# Altium PCB Thermostat_EEM.PCBDOC (part 5 of 10) (continued)
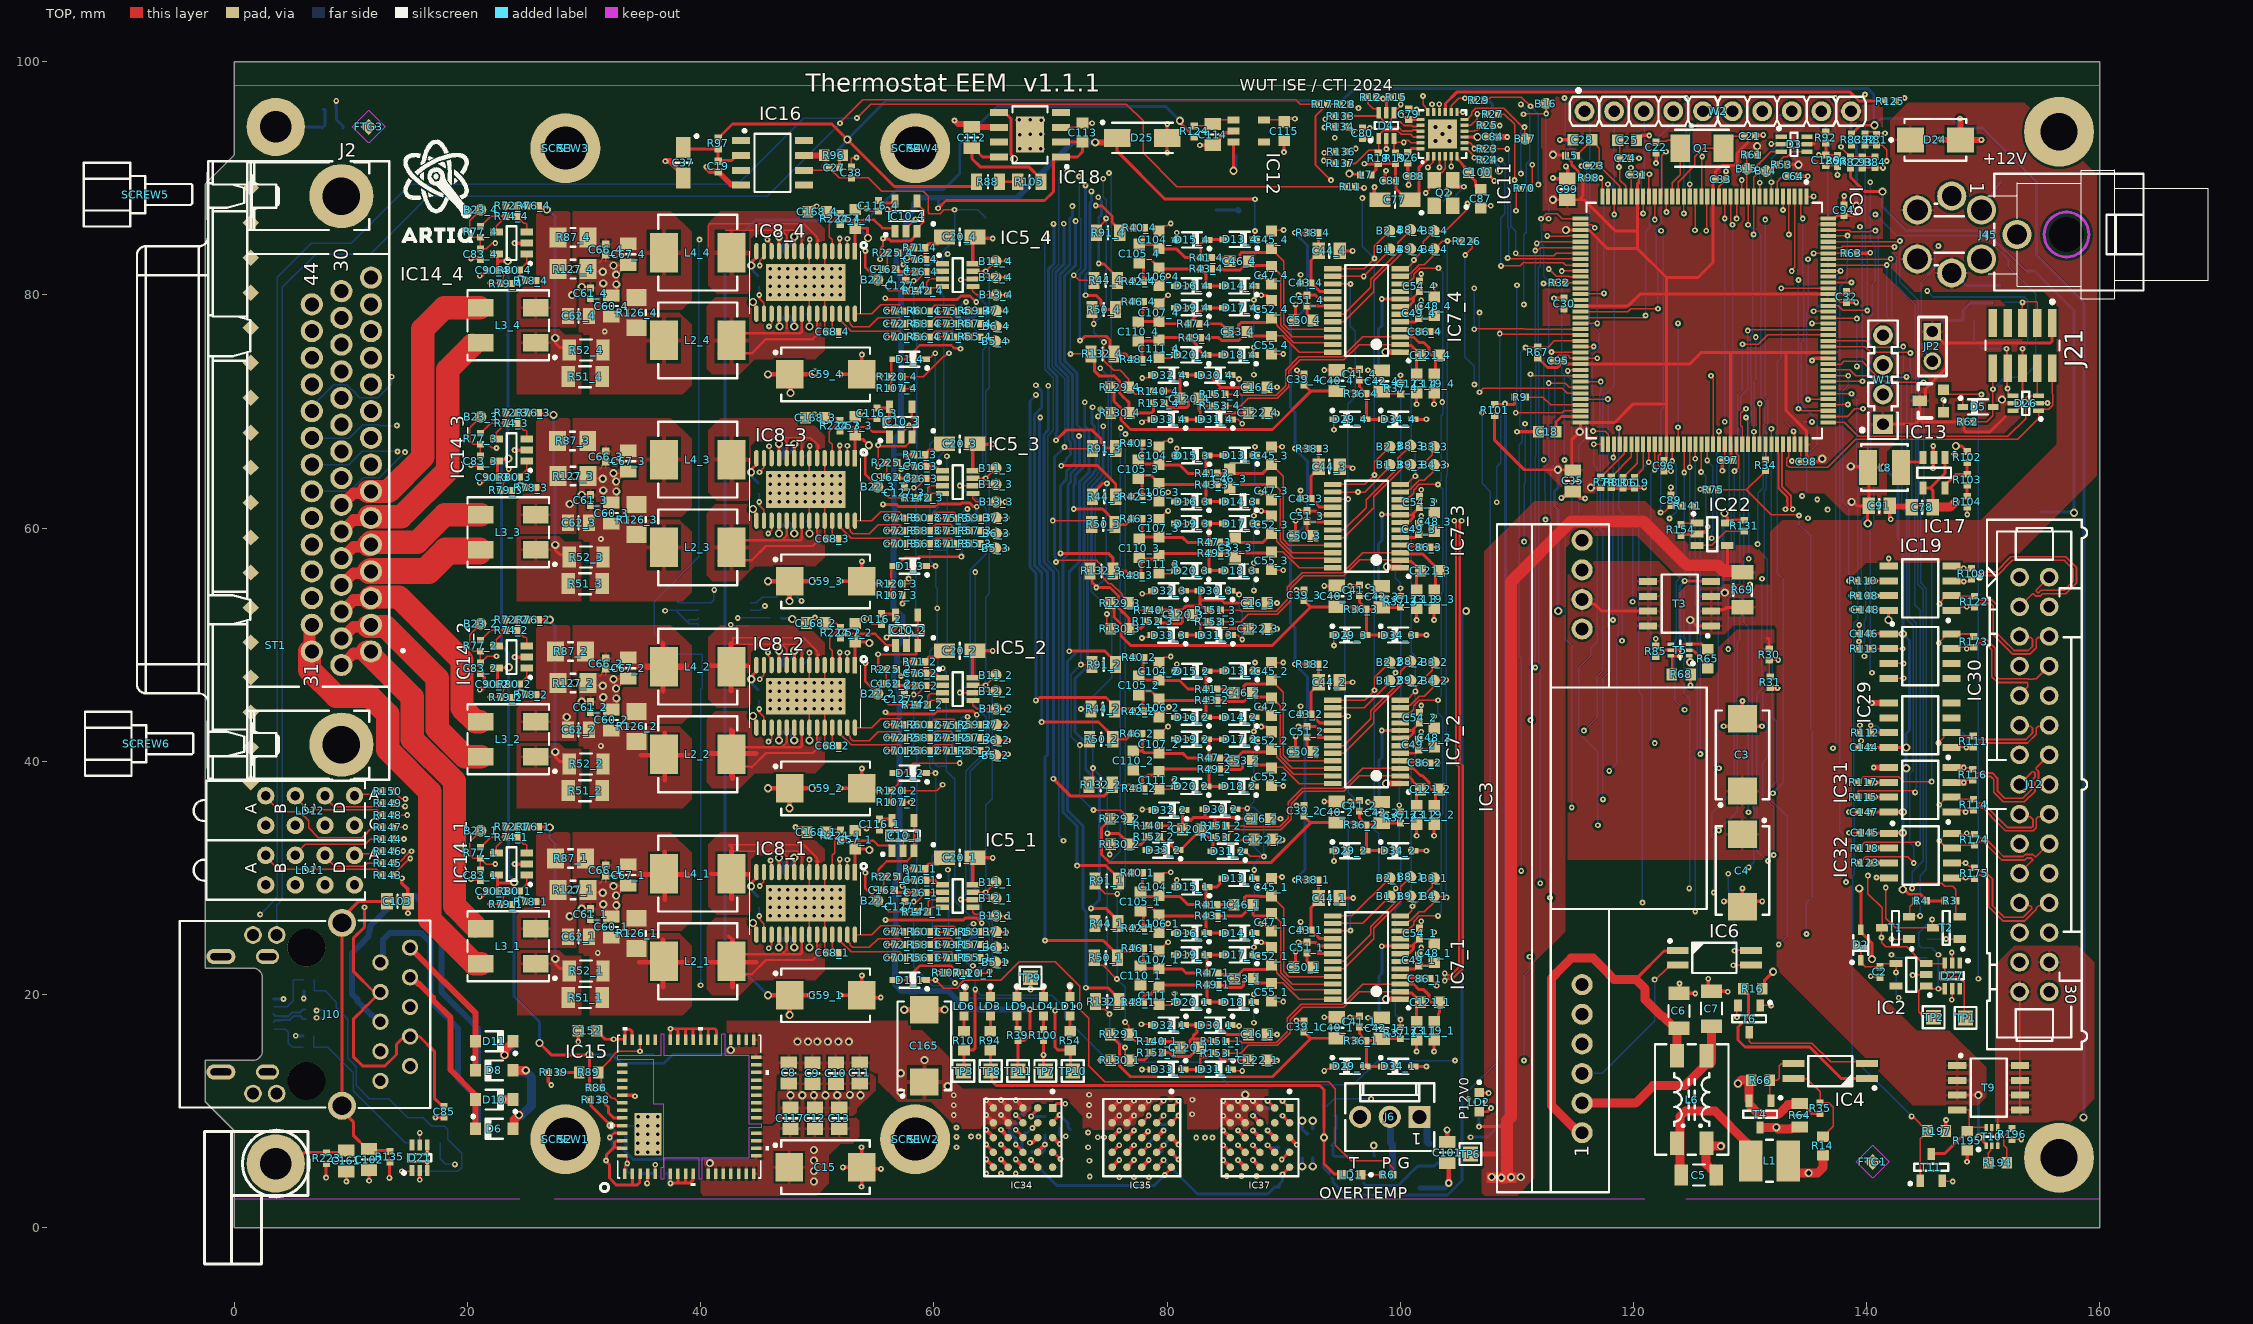
[diagram p0: TOP view]
## Nets (pads, with @x,y where several pads share a name; then routed paths per layer and width w, separated by ;. In a path a pad name is that pad's centre, name@x,y a point inside that pad or via, vN(x,y) a via of type N, cw(c..) or ccw(c..) an arc to the next point about the centre after c; other vN are vias at no path point) (continued)
  TOP w0.3: v1(14.378,29.981) 14.378,29.56 14.9,29.038 C103.2@14.9,28 v1(14.9,26.973) ; v1(20.302,29.892) C83_1.1@21.013,29.892 ; v1(20.302,65.392) C83_3.1@21.013,65.392 ; v1(20.302,83.142) C83_4.1@21.013,83.142 ; v1(21.052,46.154) 21.231,46.154 C90_2.2@21.685,46.607 21.439,46.854 21.439,47.217 21.131,47.524 C83_2.1@21.131,47.549 ; v1@21.231,28.404 C90_1.2@21.685,28.857 ; v1@21.231,63.904 C90_3.2@21.685,64.357 ; v1@21.231,81.654 C90_4.2@21.685,82.107 ; v1(24.036,66.695) IC14_3.2@25.085,66.695 ; v1(24.036,84.445) IC14_4.2@25.085,84.445 ; v1(24.044,31.195) IC14_1.2@25.085,31.195 ; v1(24.044,48.945) IC14_2.2@25.085,48.945 ; R139.1@26.94,13.3 26.94,12.524 27.193,12.271 v1(27.193,12.248) ; IC15.56@33.276,11.37 v1@34.291,11.37 ; v1(51.982,19.944) C59_1.2@53.825,19.944 v1(53.825,21.636) ; v1(51.982,37.694) C59_2.2@53.825,37.694 v1(53.825,39.386) ; v1(51.982,55.444) C59_3.2@53.825,55.444 v1(53.825,57.136) ; v1(51.982,73.194) C59_4.2@53.825,73.194 v1(53.825,74.886) ; v1@52.214,5.2 C15.2@53.8,5.2 ; v1(53.8,3.526) C15.2@53.8,5.2 ; v1@53.8,6.905 C15.2@53.8,5.2 ; C15.2@53.945,5.055 v1(55.472,5.055) ; C59_1.2@54.025,19.744 v1(55.447,19.744) ; C59_2.2@54.025,37.494 v1(55.447,37.494) ; C59_3.2@54.025,55.244 v1(55.447,55.244) ; C59_4.2@54.089,73.057 v1(55.447,73.057) ; C162_4.1@56.725,82.199 56.885,82.039 57.022,82.039 57.061,82 v1@57.564,82 ; C162_3.1@56.85,64.381 56.943,64.288 57.537,64.288 v1@57.538,64.287 ; C127_3.2@57.538,63.443 v1@57.538,64.287 ; C127_1.2@57.564,28.035 v1(57.575,28.75) C26_1.2@58.425,28.75 ; C127_2.2@57.564,45.841 v1(57.575,46.5) C26_2.2@58.425,46.5 ; C127_4.2@57.564,81.248 v1@57.564,82 ; v1(57.725,29.8) C76_1.2@58.4,29.8 ; v1(57.725,47.646) C76_2.2@58.379,47.646 ; v1(57.725,65.4) C76_3.2@58.4,65.4 ; v1(57.725,83.15) C76_4.2@58.4,83.15 ; C26_3.2@58.425,64.25 v1(57.575,64.25) v1@57.538,64.287 ; C26_4.2@58.425,82 v1(57.575,82) v1@57.564,82 ; v1(60.405,21.872) R107_1.2@61.105,21.872 ; LD6.1@62.587,19.809 62.642,19.864 62.642,20.585 v3(62.698,20.641) ; IC5_1.8@63.35,29.43 63.35,31.545 C20_1.2@63.53,31.725 v1(65.057,31.725) ; IC5_2.8@63.35,47.18 63.35,49.295 C20_2.2@63.53,49.475 v1(65.057,49.475) ; IC5_3.8@63.35,64.93 63.35,67.045 C20_3.2@63.53,67.225 63.547,67.208 v1(65.048,67.208) ; IC5_4.8@63.35,82.68 63.35,84.795 C20_4.2@63.53,84.975 63.66,84.845 v1(65.057,84.845) ; LD3.1@64.857,19.809 v3(64.857,20.684) ; LD9.1@67.128,19.809 v3(67.128,20.684) ; v3@68.305,20.369 TP9.1@68.305,21.244 ; LD4.1@69.399,19.809 v3(69.399,20.684) ; LD10.1@71.67,19.809 v3@71.67,20.684 ; v1(82.819,92.848) 83.896,92.848 C114.2@83.906,92.858 84.081,92.858 84.456,93.233 84.456,93.408 84.975,93.928 85.575,93.928 IC12.2@85.706,94.058 ; C77.2@97.789,88.631 v1(97.789,89.25) ; C81.1@98.695,89.8 v1@98.695,90.462 ; v1(98.81,92.522) D4.2@98.81,93.43 ; R26.2@100.645,91.305 100.645,90.25 C88.1@100.72,90.175 v1(100.72,89.444) ; Q2.2@104.52,89.85 104.52,89.725 104.945,89.3 105.441,89.3 v1(105.46,89.281) ; v1(110.006,68.269) C18.1@111.862,68.269 ; v1(113.088,90.037) 113.157,89.969 C99.2@114.328,89.969 114.376,90.016 114.376,90.769 114.203,90.942 v1(114.203,91.03) ; v1(113.183,79.719) C30.1@114.053,79.719 ; v1(113.693,93.301) C28.1@114.722,93.301 ; v1(113.821,62.597) 113.876,62.597 114.054,62.775 114.257,62.775 114.352,62.869 C35.2@114.352,62.919 ; C35.2@114.882,63.15 115.483,62.55 v1(115.855,62.55) ; R8.2@118.1,63.46 118.13,63.43 R106.2@119.1,63.43 R119.2@120.1,63.43 120.169,63.499 v1(120.915,63.499) ; C25.1@120.401,93.312 120.773,93.683 v1(121.359,93.683) ; v1(121.935,91.308) C22.2@121.935,92.207 ; v1(123.951,20.955) 123.951,20.151 C6.1@123.9,20.1 v1(125.297,20.1) ; R154.1@124.078,59.378 124.18,59.481 IC22.2@125.45,59.481 125.6,59.631 125.992,59.631 126.026,59.665 126.101,59.665 126.339,59.902 126.339,60.083 v1(126.377,60.121) ; v1(126.418,21.36) 126.418,20.582 C7.1@126.7,20.3 128.035,20.3 v1(128.091,20.244) ; v1(127.628,64.929) C97.1@127.628,65.819 ; v1@127.736,43.025 128.717,43.025 C3.2@129.35,43.658 ; v1(127.753,27.996) 128.896,27.996 C4.2@129.35,27.542 ; v1(127.931,90.604) 127.933,90.602 127.933,89.914 C33.1@127.935,89.912 ; v1(129.35,29.11) C4.2@129.35,27.542 ; v1(129.35,45.18) C3.2@129.35,43.658 ; C21.2@130.435,93.63 130.497,93.691 131.093,93.691 v1(131.131,93.73) ; v1(131.027,43.02) 131.018,43.029 129.98,43.029 C3.2@129.35,43.658 ; v1(131.043,27.996) 129.958,27.996 129.427,27.465 C4.2@129.35,27.542 ; C64.1@134.153,90.187 v1(134.948,90.187) ; v1(135.31,74.375) v1(135.31,74.375) 135.505,74.569 IC9.120@136.703,74.569 ; C94.1@138.053,87.719 v1@138.053,88.46 ; C32.1@138.278,79.369 v1(139.113,79.369) ; R63.2@139.17,83.6 v1@140.277,83.6 ; v1@141.982,60.94 C91.2@141.982,61.912 ; C78.1@144.155,62.02 v1(144.769,62.02) ; v1(145.702,65.139) 145.702,65.969 IC17.2@145.787,66.054 IC17.2@145.749,66.017 ; IC17.2@145.712,66.054 v1(145.712,67.045) ; R197.1@146.8,8.3 v1@146.8,9.229 ; v1@148.64,5.691 R195.1@148.64,6.662
  TOP w0.35: v1(64.491,8.407) IC34.E3@65.102,7.799 ; v1(65.761,7.137) IC34.D4@66.372,6.529 ; v1(65.761,8.407) IC34.D3@66.372,7.799 ; v1(68.239,7.3) 68.268,7.329 68.441,7.329 IC34.B3@68.912,7.799 ; IC34.B4@68.912,6.529 v1@69.441,7.062 ; IC35.E3@75.29,7.74 v1(75.898,8.35) ; IC35.D4@76.56,6.47 v1(77.168,7.08) ; IC35.D3@76.56,7.74 v1(77.168,8.35) ; IC35.C3@77.83,7.74 78.36,8.269 v1(78.36,8.272) ; IC35.B3@79.1,7.74 79.63,8.272 v1(79.708,8.35) ; v1(84.817,8.343) IC37.E3@85.428,7.736 ; v1(86.087,8.343) IC37.D3@86.698,7.736 ; v1(87.357,8.343) IC37.C3@87.968,7.736 ; v1(88.627,8.343) IC37.B3@89.238,7.736
  TOP w0.4: C101.1@104.018,7.353 v3(104.018,8.406)
  TOP w0.5: v2(57.456,18.7) C165.2@59.19,18.704 v2(60.923,18.709) ; v2(98.736,75.108) 98.741,75.103 100.016,75.103 IC7_4.1@100.021,75.098 ; v2(98.78,19.605) 98.783,19.602 100.017,19.602 IC7_1.1@100.021,19.598 ; v2(98.784,38.098) IC7_2.1@100.021,38.098 ; v2(98.854,56.687) 98.908,56.687 98.972,56.623 99.996,56.623 IC7_3.1@100.021,56.598
  TOP w0.508: v1(36.977,91.475) 37.375,91.475 38.525,90.325 C37.2@38.525,90.05 ; v1(40.504,91) 40.504,90.925 40.798,90.631 41.444,90.631 42.606,89.469 43.415,89.469 IC16.4@43.461,89.423 ; v1(61.775,94.971) 62.075,94.671 62.979,94.671 63.258,94.393 65.593,94.393 IC18.6@65.6,94.385 ; C84.1@108.39,93.55 v1(109.176,93.55) ; R31.1@131.734,46.316 131.757,46.293 v1(132.348,46.293) ; v1(140.461,45.003) IC29.5@141.894,45.003 ; v1(140.614,39.469) 140.616,39.466 IC31.5@141.894,39.466 ; C91.2@141.982,61.912 142.037,61.858 143.817,61.858 C78.1@143.871,61.803 ; v1(146.297,93.336) 146.333,93.3 D24.2@148.05,93.3 ; v1(148.004,95.12) 148.05,95.075 D24.2@148.05,93.3 ; v1(149.841,93.3) D24.2@148.05,93.3
  L2 w0.127: v1(126.377,60.121) v1(126.377,60.121) ; v1(129.35,29.11) v1@129.361,29.121
  BOT w0.127: C14.1@33.65,8.9 33.79,8.76 v3(34.626,8.76) ; v1(33.704,5.512) 33.704,4.842 C34.1@33.901,4.645 ; v1(36.95,52.925) 36.975,52.95 IC1.7@39.85,52.95 ; C1.1@37.953,52.875 38.85,51.978 ; IC1.5@39.85,51.65 39.689,51.812 39.016,51.812 38.85,51.978 ; IC1.6@39.85,52.3 39.689,52.139 39.011,52.139 38.85,51.978 ; v1(42.585,51.714) 42.649,51.65 IC1.4@44.25,51.65 ; C56_1.1@48.725,30.444 49.325,31.044 v1(49.325,31.572) ; C56_2.1@48.725,48.194 49.325,48.794 v1(49.325,49.327) ; C56_3.1@48.725,65.944 49.351,66.57 v1(49.351,67.056) ; C56_4.1@48.725,83.694 49.351,84.32 v1(49.351,84.76) ; C58_1.1@49.032,25.144 49.332,24.844 v2(49.332,24.05) ; C58_2.1@49.032,42.894 49.332,42.594 v2(49.332,41.8) ; C58_3.1@49.032,60.644 49.332,60.344 v2(49.332,59.55) ; C58_4.1@49.032,78.394 49.332,78.094 v2(49.332,77.3) ; v1(60.327,77.496) 61.513,77.496 61.63,77.379 ; v1(60.363,59.746) 61.513,59.746 61.8,59.459 ; IC38_4.2@61.63,76.539 61.63,77.379 ; IC38_3.2@61.8,58.849 61.8,59.459 ; C69_3.1@63.8,59.313 63.598,59.514 61.855,59.514 61.8,59.459 ; C69_4.1@63.8,76.827 63.775,76.827 63.363,77.238 63.363,77.263 63.248,77.379 61.63,77.379 ; C36.1@104.07,89.725 105.016,89.725 v1(105.46,89.281) 104.786,88.607 104.786,88.252 C65.1@104.539,88.005 ; C17.1@134.519,69.119 v1(135.309,69.119) ; v1@140.867,30.099 140.918,30.048 141.897,30.048 IC41.5@141.925,30.02 ; IC23.4@141.858,56.871 141.894,56.907 v1(141.894,57.4) ; IC39.5@141.894,47.126 v1(143.171,47.126) ; C29.1@151.743,79.297 151.814,79.369 v1(153.36,79.369) v1@153.289,79.297
  BOT w0.254: J9.5@3.376,19.612 3.384,19.62 4.21,19.62 v1(4.218,19.627) ; v1(5.27,16.466) 5.288,16.449 5.867,16.449 C109.1@5.884,16.431 ; C108.1@5.961,20.318 5.963,20.316 5.963,19.667 v1(5.965,19.665) ; v1(8.744,96.645) 8.728,96.629 8.728,96.148 8.683,96.103 8.773,96.013 8.773,95.034 8.922,94.885 8.927,94.885 9.325,94.487 C160.2@9.325,94.312 ; v1(60.327,24.246) 61.605,24.246 62.025,23.826 ; v1(60.363,41.996) 60.403,42.036 61.431,42.036 61.63,41.837 ; IC38_2.2@61.703,41.208 61.63,41.281 61.63,41.837 ; IC38_1.2@62.025,23.186 62.025,23.826 ; v1(63.197,7.823) v1@63.197,7.961 ; C69_2.1@63.8,41.447 63.452,41.795 62.884,41.795 62.742,41.937 61.73,41.937 61.63,41.837 ; C69_1.1@64.054,23.662 63.801,23.915 62.114,23.915 62.025,23.826 ; R219.1@69.285,6.436 69.448,6.599 69.448,6.71 69.506,6.768 69.506,7.127 v1(69.519,7.14) R222.1@69.519,7.955 ; C159.2@70.766,8.548 70.766,7.997 70.914,7.849 v1(71.309,7.849) ; R221.1@79.406,6.375 79.569,6.538 79.569,6.875 79.708,7.013 v1(79.708,7.08) ; v5(97.725,7.064) 97.756,7.032 97.756,6.166 T8.2@97.788,6.135 ; J5.1@149.841,87.285 B25.1@151.465,89.675
  BOT w0.3: R228.1@68.401,6.512 69.21,6.512 R219.1@69.285,6.436 ; v1(79.708,7.08) 79.708,7.123 80.305,7.72 80.305,7.74 80.445,7.88 R230.1@80.465,7.88 ; v1(88.627,7.073) 88.682,7.073 88.877,6.877 89.322,6.877 R231.1@89.431,6.768 89.431,6.788 R231.1@89.571,6.928 ; v2(91.593,9.177) 91.593,8.457 91.968,8.082 C166.1@92.046,8.082 ; C166.1@92.503,8.494 v2@92.503,9.214
  BOT w0.508: v1(140.461,45.003) IC36.4@141.894,45.003 ; v1(140.614,39.469) 141.891,39.469 IC40.4@141.894,39.466
  BOT w0.6: J6.1@102.053,9.922 J6.1@101.643,9.512 102.293,8.862 102.293,7.381 D12.2@102.449,7.224
  other v1: 61.941,6.909 73.229,6.901 82.503,7.736 83.255,7.736 83.894,7.736 74.057,7.767 74.602,7.763 61.941,7.8 63.835,7.818 73.229,8.169 61.941,8.6 91.092,17.768 127.731,43.02 142.065,60.77 134.975,60.849 136.651,61.595 135.758,62.457
  other v2: 92.503,9.177 47.71,11.368 48.71,11.368 49.71,11.368 50.71,11.368 51.71,11.368 53.71,11.368 52.8,11.4
  other v3: 34.626,6.495 35.476,6.495 36.326,6.495 34.626,7.25 35.476,7.25 36.326,7.25 34.626,8.005 35.476,8.005 36.326,8.005 35.476,8.76 36.326,8.76 34.631,9.515 35.481,9.515 36.331,9.515 68.305,20.469 71.67,20.759 45.982,26.755 46.732,26.755 47.482,26.755 48.232,26.755 48.982,26.755 49.732,26.755 50.482,26.755 51.232,26.755 51.982,26.755 45.982,27.505 46.732,27.505 47.482,27.505 48.232,27.505 48.982,27.505 49.732,27.505 50.482,27.505 51.232,27.505 51.982,27.505 45.982,28.255 46.732,28.255 47.482,28.255 48.232,28.255 48.982,28.255 49.732,28.255 50.482,28.255 51.232,28.255 51.982,28.255 45.982,29.005 46.732,29.005 47.482,29.005 48.232,29.005 48.982,29.005 49.732,29.005 50.482,29.005 51.232,29.005 51.982,29.005 45.982,44.505 46.732,44.505 47.482,44.505 48.232,44.505 48.982,44.505 49.732,44.505 50.482,44.505 51.232,44.505 51.982,44.505 45.982,45.255 46.732,45.255 47.482,45.255 48.232,45.255 48.982,45.255 49.732,45.255 50.482,45.255 51.232,45.255 51.982,45.255 45.982,46.005 46.732,46.005 47.482,46.005 48.232,46.005 48.982,46.005 49.732,46.005 50.482,46.005 51.232,46.005 51.982,46.005 45.982,46.755 46.732,46.755 47.482,46.755 48.232,46.755 48.982,46.755 49.732,46.755 50.482,46.755 51.232,46.755 51.982,46.755
  other v4: 45.982,62.255 46.732,62.255 47.482,62.255 48.232,62.255 48.982,62.255 49.732,62.255 50.482,62.255 51.232,62.255 51.982,62.255 45.982,63.005 46.732,63.005 47.482,63.005 48.232,63.005 48.982,63.005 49.732,63.005 50.482,63.005 51.232,63.005 51.982,63.005 45.982,63.755 46.732,63.755 47.482,63.755 48.232,63.755 48.982,63.755 49.732,63.755 50.482,63.755 51.232,63.755 51.982,63.755 45.982,64.505 46.732,64.505 47.482,64.505 48.232,64.505 48.982,64.505 49.732,64.505 50.482,64.505 51.232,64.505 51.982,64.505 45.982,80.005 46.732,80.005 47.482,80.005 48.232,80.005 48.982,80.005 49.732,80.005 50.482,80.005 51.232,80.005 51.982,80.005 45.982,80.755 46.732,80.755 47.482,80.755 48.232,80.755 48.982,80.755 49.732,80.755 50.482,80.755 51.232,80.755 51.982,80.755 45.982,81.505 46.732,81.505 47.482,81.505 48.232,81.505 48.982,81.505 49.732,81.505 50.482,81.505 51.232,81.505 51.982,81.505 45.982,82.255 46.732,82.255 47.482,82.255 48.232,82.255 48.982,82.255 49.732,82.255 50.482,82.255 51.232,82.255 51.982,82.255 68.255,92.541 69.188,92.532 67.359,92.558 67.385,93.751 68.274,93.802 69.188,93.802 69.214,94.996 67.309,95.021 68.274,95.021
  other v5: 103.02,93.2 104.22,93.2 103.62,93.8 103.02,94.4 104.22,94.4
HWREV0: IC9.77 R7.1 | length 3.7
  TOP w0.127: R7.1@117.2,64.4 117.22,64.4 119.216,66.396 119.216,67.082 IC9.77@119.328,67.194
HWREV1: IC9.78 R8.1 | length 3.5
  TOP w0.127: R8.1@118.1,64.4 118.12,64.4 119.828,66.108 IC9.78@119.828,67.194
HWREV2: IC9.79 R106.1 | length 3.3
  TOP w0.127: R106.1@119.1,64.37 119.12,64.37 120.328,65.578 IC9.79@120.328,67.194
HWREV3: IC9.80 R119.1 | length 3.1
  TOP w0.127: R119.1@120.1,64.37 120.12,64.37 120.828,65.078 IC9.80@120.828,67.194
I2C1_SCL: IC9.139 R3.1 T2.2 | length 69
  TOP w0.127: IC9.139@136.703,84.069 137.829,84.069 137.936,84.176 142.335,84.176 v1(142.382,84.128) ; v1(143.9,29.108) 144.339,29.547 146.453,29.547 146.71,29.291 147.4,29.291 147.657,29.034 R3.1@147.657,28.04 147.657,26.926 147.919,26.665 T2.2@147.987,26.665
  BOT w0.127: v1(142.382,84.128) 142.382,83.412 142.527,83.267 142.527,80.814 144.183,79.158 144.183,75.21 144.19,75.203 144.19,62.423 144.075,62.308 144.075,61.732 144.37,61.438 144.37,55.196 144.849,54.717 144.849,31.474 143.9,30.525 v1(143.9,29.108)
I2C1_SDA: IC9.140 R4.1 T1.2 | length 67.7
  TOP w0.127: IC9.140@136.703,84.569 142.782,84.569 v1(142.846,84.632) ; R4.1@144.218,28.04 144.218,28.02 143.713,27.514 143.713,26.753 v1(144.587,26.753)
  BOT w0.127: v1(142.846,84.632) 142.846,84.631 142.823,84.607 142.823,81.153 144.437,79.539 144.437,75.316 144.444,75.308 144.444,62.318 144.329,62.203 144.329,61.838 144.624,61.543 144.624,55.301 145.128,54.797 145.128,30.746 144.587,30.206 v1(144.587,26.753)
I2C_SCL: D27.4 IC1.2 IC2.1 J12.27 T2.3 TP2.1 | length 153.8
  TOP w0.127: v1(141.643,29.175) 141.643,26.547 142.475,25.715 T2.3@145.687,25.715 145.619,25.783 v1(145.619,26.44) ; TP2.1@145.735,18.052 144.91,18.052 144.452,18.509 144.452,20.336 144.868,20.752 145.369,20.752 145.619,20.502 v1(146.153,20.502) D27.4@146.687,20.502
  L2 w0.127: v1(45.505,53.325) 47.279,53.325 47.401,53.203 56.315,53.203 57.083,53.971 73.109,53.971 73.94,53.14 104.098,53.14 105.475,54.517 113.947,54.517 114.406,54.976 116.052,54.976 116.27,54.757 117.032,54.757 117.272,54.517 122.418,54.517 123.005,53.93 128.732,53.93 v1(129.996,55.194) ; v1(129.894,30.912) 138.485,30.912 140.222,29.175 v1(141.643,29.175) ; v1(146.151,23.419) 146.791,22.778 J12.27@153.114,22.778
  BOT w0.127: IC1.2@44.25,52.95 45.13,52.95 v1(45.505,53.325) ; v1(129.894,30.912) 130.326,31.344 130.326,36.437 130.2,36.563 130.2,54.296 129.996,54.5 v1(129.996,55.194) ; v1(145.619,26.44) 144.474,25.295 144.474,24.232 144.677,24.028 145.574,24.028 v1@146.153,23.45 ; v1(146.153,20.502) v1(146.151,23.419)
I2C_SDA: D27.3 IC1.1 IC2.3 J12.26 T1.3 TP1.1 | length 156.6
  TOP w0.127: v1(140.107,30.2) 140.107,28.647 141.325,27.429 T1.3@141.325,25.715 141.273,25.664 v1(141.273,24.892) 141.288,24.878 141.288,24.452 141.643,24.096 143.425,24.096 144.868,22.652 IC2.3@145.119,22.652 146.637,22.652 D27.3@146.687,22.702 146.687,22.037 147.177,21.546 147.887,21.546 148.378,21.056 148.378,18.109 TP1.1@148.487,18
  L2 w0.127: v1(48.648,53.766) 49.108,54.225 73.214,54.225 73.58,53.859 86.362,53.859 86.524,54.021 95.18,54.021 95.572,53.629 104.228,53.629 105.85,55.251 123.993,55.251 124.205,55.04 124.57,55.04 124.724,55.194 129.373,55.194 129.813,55.635 130.997,55.635 v1(131.02,55.658) ; v1(131.536,31.461) 131.573,31.425 138.882,31.425 v1(140.107,30.2) ; v1(141.273,24.892) 141.273,25.019 141.931,25.677 149.83,25.677 150.463,26.309 154.664,26.309 155.501,25.472 155.654,25.472 J12.26@155.654,25.318
  BOT w0.127: IC1.1@44.25,53.6 44.775,53.6 45.269,54.094 46.464,54.094 46.654,54.284 48.057,54.284 48.576,53.766 v1(48.648,53.766) ; v1(131.02,55.658) 131.02,46.192 130.586,45.758 130.586,32.339 131.464,31.461 v1(131.536,31.461)
I_meas_P12V0: C89.1 IC9.20 R141.2 | length 32.3
  TOP w0.127: v1(122.328,61.339) 122.399,61.41 122.675,61.41 C89.1@123.21,61.945 124.134,61.945 R141.2@124.167,61.912 ; v1(125.271,85.55) 125.3,85.579 125.3,88.359 125.271,88.387 IC9.20@125.328,88.444
  L2 w0.127: v1(122.376,85.509) v1@125.271,85.509
  BOT w0.127: v1(122.328,61.339) 122.328,70.114 122.54,70.327 122.54,85.243 122.376,85.408 v1(122.376,85.509)
ITEC0: IC9.41 R225_1.1 | length 114.7
  TOP w0.127: R225_1.1@56.964,30.116 56.964,29.662 v1(57.299,29.327) ; v1(111.708,84.43) 111.809,84.43 111.948,84.569 IC9.41@115.453,84.569
  L2 w0.127: v1(57.299,29.327) 57.332,29.36 98.197,29.36 98.388,29.55 v1(112.013,29.55)
  BOT w0.127: v1(111.708,84.43) 111.708,84.415 112.012,84.111 112.012,82.496 111.846,82.33 111.846,75.024 111.869,75.001 111.869,66.065 111.862,66.057 111.862,48.383 112.013,48.232 v1(112.013,29.55)
ITEC1: IC9.42 R225_2.1 | length 95.3
  TOP w0.127: R225_2.1@56.825,47.867 56.825,47.847 57.052,47.62 v1@57.263,47.409 ; v1(111.571,83.818) 111.574,83.82 111.793,83.82 112.042,84.069 IC9.42@115.453,84.069
  L2 w0.127: v1(57.184,47.33) 57.279,47.33 57.478,47.13 90.379,47.13 91.299,48.05 v1(111.572,48.05)
  BOT w0.127: v1(111.572,48.05) 111.572,66.127 111.615,66.17 111.615,74.896 111.571,74.94 v1(111.571,83.818)
ITEC2: IC9.46 R225_3.1 | length 76.5
  TOP w0.127: R225_3.1@56.841,65.579 56.841,65.559 57.067,65.333 v1@57.264,65.137 ; v1(113.85,82.05) 113.859,82.059 115.444,82.059 IC9.46@115.453,82.069
  L2 w0.127: v1(57.194,65.067) 57.244,65.067 57.478,64.833 57.478,64.823 75.914,64.86 76.641,65.586 97.392,65.586 98.025,64.953 112.003,64.953 112.902,65.852 v1(114.081,65.852)
  BOT w0.127: v1(113.85,82.05) 113.85,73.385 114.081,73.154 v1(114.081,65.852)
ITEC3: IC9.47 R225_4.1 | length 60.2
  TOP w0.127: R225_4.1@56.928,83.61 57.137,83.401 57.137,83.203 57.191,83.149 57.191,82.91 57.396,82.704 v1(57.396,82.616) ; v1(112.743,82.234) 113.368,81.61 114.451,81.61 114.492,81.569 IC9.47@115.453,81.569
  L2 w0.127: v1@57.235,82.659 57.423,82.471 66.065,82.471 66.302,82.234 101.985,82.234 102.358,81.861 112.37,81.861 v1(112.743,82.234)
JRST: IC9.134
LED0: IC9.124 R143.1 | length 166.1
  TOP w0.127: R143.1@13.635,30.256 13.635,30.276 15.035,31.676 v1(15.095,31.676) ; v1(129.35,75.775) 130.717,75.775 131.51,76.569 IC9.124@136.703,76.569
  L2 w0.127: v1(15.095,31.676) 15.196,31.676 15.374,31.854 15.399,31.854 16.967,33.422 49.006,33.422 50.275,34.69 74.635,34.69 75.241,34.085 v1(127.328,34.085)
  BOT w0.127: v1(127.328,34.085) 128.91,35.666 128.91,50.275 129.105,50.471 129.105,65.079 128.954,65.231 128.954,71.429 129.35,71.825 v1(129.35,75.775)
LED1: IC9.125 R144.1 | length 167.1
  TOP w0.127: R144.1@13.635,33.337 v1(14.555,33.337) ; v1(129.8,76.946) 129.861,77.007 136.642,77.007 IC9.125@136.703,77.069
  L2 w0.127: v1(14.555,33.337) 14.555,33.371 14.589,33.371 16.343,35.125 47.837,35.125 48.511,35.799 65.049,35.799 66.101,36.851 90.267,36.851 90.412,36.996 103.44,36.996 103.946,36.49 114.937,36.49 115.787,35.64 v1(129.866,35.64)
  BOT w0.127: v1(129.8,76.946) 129.8,71.916 129.208,71.323 129.208,67.307 129.454,67.061 129.454,51.924 129.866,51.513 v1(129.866,35.64)
LED2: IC9.59 R145.1 | length 149.8
  TOP w0.127: R145.1@13.635,31.283 14.115,31.283 14.567,31.735 14.567,31.771 15.019,32.223 15.128,32.223 v1(15.199,32.295) ; IC9.59@115.453,75.569 115.456,75.572 116.597,75.572 v1(116.6,75.575)
  L2 w0.127: v1(15.199,32.295) 15.241,32.337 15.262,32.337 16.602,33.676 48.063,33.676 49.331,34.944 82.743,34.944 83.162,34.525 v1(116.95,34.525)
  BOT w0.127: v1(116.6,75.575) 115.935,74.91 115.935,67.748 115.308,67.121 115.308,61.29 116.891,59.707 116.891,50.258 116.35,49.717 116.35,49.057 115.308,48.015 115.308,42.454 116.95,40.811 v1(116.95,34.525)
LED3: IC9.63 R146.1 | length 142.5
  TOP w0.127: R146.1@13.635,32.31 13.643,32.319 v1(14.491,32.319) ; v1(114.364,73.494) 114.578,73.494 114.653,73.569 IC9.63@115.453,73.569
  L2 w0.127: v1(14.491,32.319) 14.509,32.319 17.061,34.871 47.942,34.871 48.616,35.545 65.155,35.545 66.022,36.413 90.189,36.413 90.421,36.646 92.764,36.646 93.337,36.074 98.522,36.074 98.795,35.8 106.576,35.8 106.826,36.05 v1(114.707,36.05)
  BOT w0.127: v1(114.364,73.494) 114.364,73.073 114.707,72.729 114.707,61.13 114.17,60.593 114.17,50.494 114.707,49.956 v1(114.707,36.05)
LED4: IC9.65 R147.1 | length 143.9
  TOP w0.127: R147.1@13.635,34.364 v1(14.669,34.364) ; IC9.65@115.453,72.569 v1(117.2,72.569)
  L2 w0.127: v1(14.669,34.364) 15.695,35.391 45.788,35.391 46.912,36.515 48.869,36.515 49.331,36.053 64.944,36.053 65.996,37.105 90.162,37.105 90.307,37.25 103.546,37.25 104.051,36.744 v1(117.39,36.744)
  BOT w0.127: v1(117.2,72.569) 117.2,71.669 117.11,71.579 117.11,65.962 117.145,65.927 117.145,60.744 117.991,59.898 117.991,52.974 117.804,52.788 117.804,51.524 117.991,51.338 117.991,47.716 117.357,47.083 117.357,36.778 v1(117.39,36.744)
LED5: IC9.132 R148.1 | length 167.5
  TOP w0.127: R148.1@13.635,35.391 v1(14.84,35.391) ; v1(132.675,80.573) 132.677,80.571 136.701,80.571 IC9.132@136.703,80.569
  L2 w0.127: v1(14.84,35.391) 14.941,35.391 15.195,35.645 45.683,35.645 46.807,36.769 48.974,36.769 49.198,36.545 57.429,36.545 57.875,36.992 65.524,36.992 65.891,37.359 90.057,37.359 90.202,37.504 115.552,37.504 115.63,37.426 131.528,37.426 131.621,37.333 131.886,37.333 v1(131.958,37.262)
  BOT w0.127: v1(131.958,37.262) 132.859,38.164 132.859,55.646 132.354,56.151 132.354,74.254 132.675,74.575 v1(132.675,80.573)
LED6: IC9.68 R149.1 | length 140.8
  TOP w0.127: R149.1@13.635,36.418 13.91,36.142 v1(14.652,36.142) ; IC9.68@115.453,71.069 v1(117.804,71.069)
  L2 w0.127: v1(14.652,36.142) 45.822,36.142 46.702,37.023 49.079,37.023 49.303,36.799 57.323,36.799 57.77,37.246 63.022,37.246 63.389,37.613 88.532,37.613 89.558,38.639 117.37,38.639 v1(117.919,39.188)
  BOT w0.127: v1(117.804,71.069) 117.821,71.052 117.821,60.786 118.685,59.922 118.685,50.628 118.583,50.525 118.583,39.851 v1(117.919,39.188)